# KiCad board RADAR_Main_Board.kicad_pcb (continued)
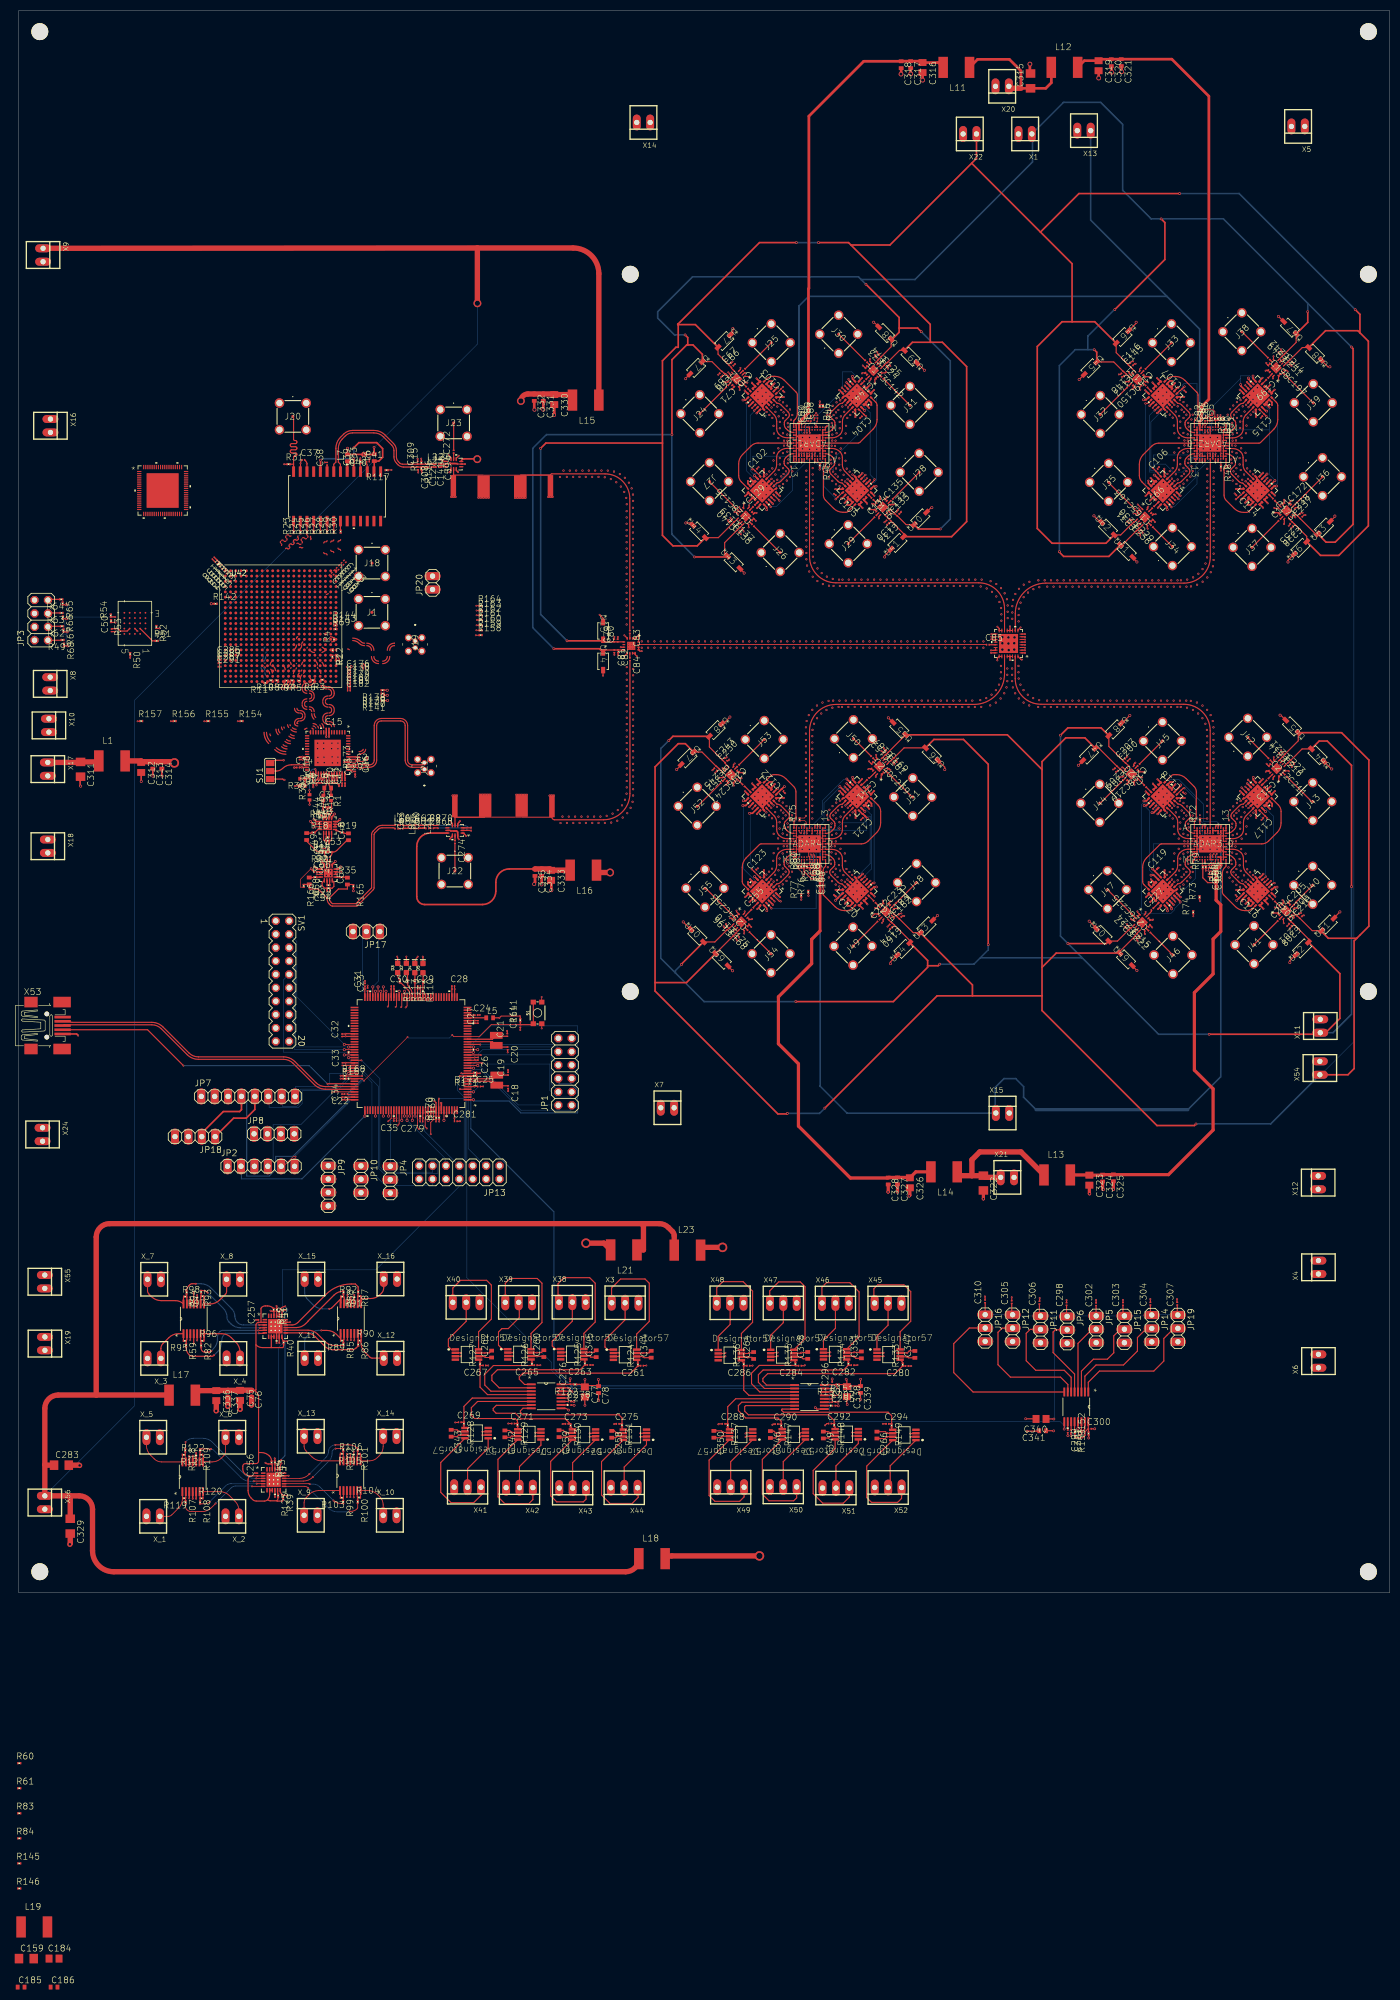
[diagram p0: board, top side]
## Routing (per net, layer and track width the routed paths; a pad name or vN(x,y) marks a point on that pad's centre or on a via; arc(x,y) is an arc through that point) (continued)
DET2_2: length 17.9
  Top w0.204: 214.29,209.39 213.05,210.62 arc(212.69,211.17) 212.56,211.81 212.56,214.01 arc(212.75,214.98) 213.3,215.81 214.93,217.44 arc(215.53,217.83) 216.23,217.98 223,217.98 ADAR2_0.G13 ; 214.29,209.39 214.3,209.4 ADTR1107_5.12 ; 214.29,209.39 214.33,209.34
DET2_3: length 17.9
  Top w0.204: 237.65,150.65 ADTR1107_12.12 238.95,149.35 arc(239.31,148.8) 239.44,148.16 239.44,145.96 arc(239.25,144.99) 238.7,144.17 237.07,142.54 arc(236.47,142.14) 235.77,142 ADAR3_0.G13
DET2_4: length 18
  Top w0.204: ADTR1107_16.12 161.7,150.6 161.72,150.62 ; 161.72,150.63 161.72,150.62 ; 161.72,150.62 163,149.35 arc(163.36,148.8) 163.49,148.16 163.49,145.96 arc(163.3,144.99) 162.75,144.17 161.12,142.54 arc(160.52,142.14) 159.82,142 ADAR4_0.G13
DET3_1: length 15.1
  Top w0.204: ADAR1_0.A1 153,213.77 arc(152.98,213.7) 152.94,213.63 arc(152.71,213.29) 152.63,212.88 152.63,208.14 arc(152.74,207.6) 153.05,207.13 154.57,205.61 arc(155.39,205.06) 156.36,204.87 156.89,204.87 arc(157.15,204.92) 157.36,205.07 ADTR1107_2.12
DET3_2: length 15.2
  Top w0.204: 234.61,206.29 234.6,206.3 ADTR1107_6.12 ; 234.61,206.29 234.63,206.31 ; 234.61,206.29 233.36,205.04 arc(233.15,204.9) 232.89,204.84 232.36,204.84 arc(231.39,205.04) 230.57,205.59 229.05,207.11 arc(228.74,207.57) 228.63,208.12 228.63,212.86 arc(228.71,213.26) 228.94,213.61 arc(228.98,213.67) 229,213.75 ADAR2_0.A1
DET3_3: length 15.1
  Top w0.204: ADAR3_0.A1 223,146.23 arc(223.02,146.3) 223.06,146.37 arc(223.29,146.71) 223.37,147.12 223.37,151.86 arc(223.26,152.4) 222.95,152.87 221.43,154.39 arc(220.61,154.94) 219.64,155.13 219.11,155.13 arc(218.85,155.08) 218.64,154.93 217.38,153.67 ; 217.38,153.67 217.4,153.65 ADTR1107_11.12 217.38,153.67
DET3_4: length 15.2
  Top w0.204: 141.43,153.67 142.69,154.93 arc(142.9,155.08) 143.16,155.13 143.69,155.13 arc(144.66,154.94) 145.48,154.39 147,152.87 arc(147.31,152.4) 147.42,151.86 147.42,147.12 arc(147.34,146.71) 147.11,146.37 arc(147.07,146.3) 147.05,146.23 147.05,145 ADAR4_0.A1 ; 141.43,153.67 141.4,153.7 ADTR1107_15.12 ; 141.43,153.67 141.42,153.67
DET4_1: length 16.8
  Top w0.204: ADTR1107_4.12 162.56,225.73 arc(162.75,225.46) 162.81,225.14 162.81,222.44 arc(162.62,221.47) 162.07,220.65 159.54,218.12 arc(159.41,218.03) 159.25,218 ADAR1_0.G1
DET4_2: length 16.9
  Top w0.204: 237.69,226.59 238.56,225.71 arc(238.75,225.44) 238.81,225.12 238.81,222.42 arc(238.62,221.45) 238.07,220.62 235.54,218.09 arc(235.41,218.01) 235.25,217.98 229,217.98 ADAR2_0.G1 ; 237.69,226.59 237.7,226.6 ADTR1107_8.12 ; 237.69,226.59 237.67,226.61
DET4_3: length 16.8
  Top w0.204: ADAR3_0.G1 216.75,142 arc(216.59,141.97) 216.46,141.88 213.93,139.35 arc(213.38,138.53) 213.19,137.56 213.19,134.86 arc(213.25,134.54) 213.44,134.27 ADTR1107_9.12 214.35,133.35
DET4_4: length 16.8
  Top w0.204: 138.35,133.4 138.35,133.4 ADTR1107_13.12 ; 138.35,133.4 138.38,133.37 ; 138.35,133.4 137.49,134.27 arc(137.3,134.54) 137.24,134.86 137.24,137.56 arc(137.43,138.53) 137.98,139.35 140.51,141.88 arc(140.64,141.97) 140.8,142 ADAR4_0.G1 147.05,142
EN/DIS_COOLING: length 12.7
  Top w0.152: U2.123 v2(72.66,89.58)
  Bottom w0.1: JP4.1 70.5,81 70.5,89.5 72.5,89.5 v2(72.66,89.58)
EN/DIS_RFPA_VDD: length 13.6
  Top w0.15: v1(71.85,88.6) 72.16,88.91 U2.122
  In7.Cu w0.1: JP10.1 65,81 71.75,87.75 71.75,88.5 v1(71.85,88.6)
EN_+1V0_FPGA: length 35.3
  Top w0.15: U2.58 72.66,111.16 v1(72.55,111.05)
  In5.Cu w0.1: SV1.1 49,127.25 50,126.25 51.25,126.25 60.5,117 69.75,117 69.75,114.75 71,113.5 72.5,113.5 72.5,111 v1(72.55,111.05)
EN_+1V8_CLOCK: length 28.7
  Top w0.152: U2.89 v2(61.76,102.98)
  Bottom w0.1: SV1.8 51.5,119.75 52.25,119 52.25,103 61.75,103 v2(61.76,102.98)
EN_+1V8_FPGA: length 29.3
  Top w0.152: U2.59 v2(72.16,114.06)
  In7.Cu w0.1: SV1.3 49,124.75 50,123.75 63,123.75 72,114.75 72,114.25 v2(72.16,114.06)
EN_+3V3_ADAR12: length 24.8
  Top w0.152: U2.64 v2(69.66,114.06)
  In7.Cu w0.1: v2(69.66,114.06) 69.75,114.25 69.75,115 66.5,118.25 50,118.25 49,117.25 SV1.9
EN_+3V3_ADAR34: length 23.1
  Top w0.152: U2.65 v2(69.16,114.88)
  In5.Cu w0.1: SV1.11 49,114.75 50,115.75 51.75,115.75 52,115.5 68.5,115.5 69,115 v2(69.16,114.88)
EN_+3V3_ADTR: length 21.8
  Top w0.152: U2.66 v2(68.66,114.06)
  In5.Cu w0.1: v2(68.66,114.06) 68.5,114 67.75,113.25 50,113.25 49,112.25 SV1.13
EN_+3V3_CLOCK: length 28.7
  Top w0.152: U2.90 v2(62.58,102.48)
  Bottom w0.1: SV1.10 51.25,117.25 50.25,116.25 50.25,102.5 62.5,102.5 v2(62.58,102.48)
EN_+3V3_FPGA: length 31.6
  Top w0.15: v1(71.5,111.1) 71.66,111.26 U2.60
  In7.Cu w0.1: v1(71.5,111.1) 71.5,114.25 71.75,114.5 65,121.25 50,121.25 49,122.25 SV1.5
EN_+3V3_SW: length 24
  Top w0.152: U2.67 v2(68.16,114.88)
  In7.Cu w0.1: SV1.15 49,109.75 50,110.75 51.25,110.75 56,115.5 67.5,115.5 68,115 v2(68.16,114.88)
EN_+3V3_VDD_SW: length 22.9
  Top w0.152: U2.68 v2(67.66,114.06)
  In7.Cu w0.1: SV1.17 49,107.25 50,108.25 51.25,108.25 52.5,109.5 63,109.5 67.5,114 v2(67.66,114.06)
EN_+5V0_ADAR: length 29.3
  Top w0.15: U2.63 70.16,111.31 v1(70,111.15)
  In7.Cu w0.1: v1(70,111.15) 70,113.75 70.25,114 70.25,115 66.5,118.75 50,118.75 49,119.75 SV1.7
EN_+5V0_PA1: length 32.3
  Top w0.15: U2.56 73.66,111.26 v1(73.4,111)
  In7.Cu w0.1: v1(73.4,111) 73.25,111 63.25,101 52.5,101 49,104.5 SV1.19
EN_+5V0_PA2: length 28.5
  Top w0.152: U2.57 v2(73.16,114.06)
  In5.Cu w0.1: SV1.2 51.5,127.25 60,127.25 73,114.25 v2(73.16,114.06)
EN_+5V0_PA3: length 27.2
  Top w0.152: U2.87 v2(61.76,103.98)
  Bottom w0.1: v2(61.76,103.98) 61.75,104 52.75,113 52.75,123.5 51.5,124.75 SV1.4
EN_+5V5_PA: length 30.6
  Top w0.152: U2.88 v2(62.58,103.48)
  Bottom w0.1: SV1.6 51.5,122.25 52.5,121.25 52.5,103.5 62.5,103.5 v2(62.58,103.48)
EN_OPAMP_IF_1: length 0.8
  Top w0.15: v1(56.52,136.23) 56.53,136.22 U8.15
EN_OPAMP_IF_2: length 1.3
  Top w0.15: v1(55.93,145.05) 56.11,145.24 U4.15
FPGA_ADC_CLOCK_N: length 11.3
  Top w0.204: 59.97,180.55 arc(59.89,180.5) R4.1 arc(59.59,180.34) 59.34,180.29 ; 53.85,180.27 arc(53.87,180.28) 53.9,180.29 ; 53.39,178.99 arc(53.6,179.31) 53.68,179.69 ; 63.35,180.55 arc(64,180.42) 64.54,180.06 ; 53.68,179.91 arc(53.71,180.09) 53.81,180.23 ; 66.91,177.52 arc(67.3,176.57) 68.25,176.18 ; 70.37,178.7 arc(70.63,179.33) 71.26,179.59 arc(71.26,179.59) 71.26,179.59 ; 66.02,179.59 arc(66.65,179.33) 66.91,178.7 ; 69.03,176.18 arc(69.98,176.57) 70.37,177.52 ; 64.6,180 arc(65.06,179.69) 65.6,179.59
FPGA_ADC_CLOCK_P: length 11.5
  Top w0.204: 64.93,180.33 arc(65.24,180.12) 65.6,180.05 ; 63.35,181.01 arc(64.17,180.85) 64.87,180.38 ; 69.03,176.64 arc(69.65,176.9) 69.91,177.52 ; 52.39,178.99 arc(52.6,179.31) 52.68,179.69 ; 71.26,180.05 arc(71.26,180.05) 71.26,180.05 arc(70.3,179.66) 69.91,178.7 ; 59.86,181.01 arc(59.83,181) R4.2 arc(59.49,181.21) 59.12,181.28 ; 52.93,181.28 arc(52.87,181.27) 52.81,181.23 arc(52.71,181.09) 52.68,180.92 ; 66.02,180.05 arc(66.98,179.66) 67.37,178.7 ; 67.37,177.52 arc(67.63,176.9) 68.25,176.64
FPGA_DAC_CLOCK: length 0.4
  Top w0.204: 58.35,189.3 arc(58.54,189.34) 58.71,189.45
FPGA_FLASH_NRST: length 0.8
  Top w0.204: 58.3,178.98 arc(57.94,179.05) 57.64,179.25 arc(57.61,179.27) 57.57,179.28
GYR_INT: length 15.3
  Top w0.152: U2.98 v2(62.58,98.48)
  Bottom w0.1: JP7.8 52.5,94.25 52.5,96 58.5,96 59,96.5 59,98.5 62.5,98.5 v2(62.58,98.48)
LNA_BIAS_1: length 83
  Top w0.1: 156.79,227.85 156.8,227.85 ADTR1107_4.23
  Top w0.2: 156.79,227.85 v6(156.15,228.5) ; ADAR1_0.A11 v1(148,214.48) ; ADTR1107_3.23 139.53,224.15 v6(139.5,224.15) ; ADTR1107_2.23 160.57,211.95 v6(160.6,211.95) ; ADTR1107_1.23 144.28,207.1 v6(144.28,207.1)
  In5.Cu w0.1: v6(139.5,224.15) 139.5,224.25 140,224.75 141.75,224.75 146,229 155.75,229 156.25,228.5 v6(156.15,228.5)
  Bottom w0.1: v1(148,214.48) 148,214.5 143.75,210.25 143.75,209.5 ; 143.75,209.5 143.75,207.75 144.25,207.25 v6(144.28,207.1) ; 143.75,209.5 141.5,211.75 141.5,212.25 139.25,212.25 138.75,212.75 138.75,223.25 139.5,224 v6(139.5,224.15) ; v6(156.15,228.5) 156.25,228.5 156.25,231.5 158,231.5 162.75,226.75 162.75,211 162.25,210.5 161,210.5 160.5,211 160.5,212 v6(160.6,211.95)
LNA_BIAS_2: length 107.9
  Top w0.1: 215.5,224.2 v6(215.47,224.2) ; 216.15,224.84 216.2,224.8 ADTR1107_7.23
  Top w0.2: ADTR1107_5.23 219.97,207.4 v6(219.97,207.4) ; ADAR2_0.A11 224,214.6 v1(223.97,214.57) ; 216.15,224.84 215.5,224.2
  Top w0.3: ADTR1107_8.23 231.8,228.82 231.8,229.08 v3(231.78,229.08) ; v3(236.78,212.12) 236.75,212.12 ADTR1107_6.23
  Bottom w0.1: 231.75,230.25 231.75,230.75 233.5,230.75 238.75,225.5 238.75,210.25 237.5,210.25 236.5,211.25 236.5,211.75 236.75,212 v3(236.78,212.12) ; 231.75,230.25 224.5,223 224.5,220 225.25,219.25 225.25,216.75 225,216.5 225,215.5 224,215.5 223.5,216 223.5,229.25 221,229.25 220.75,229 220.75,228.5 216.5,224.25 215.5,224.25 ; 231.75,230.25 231.75,229.25 v3(231.78,229.08) ; 215.5,224.25 v6(215.47,224.2) ; 215.5,224.25 214.5,223.25 214.5,212.5 217.5,212.5 217.5,211.75 220.5,208.75 ; 220.5,208.75 223.25,211.5 223.25,213.75 224,214.5 v1(223.97,214.57) ; 220.5,208.75 220,208.25 220,207.5 v6(219.97,207.4)
LNA_BIAS_3: length 90.5
  Top w0.1: v6(236.55,135.8) 236.52,135.8 ; 235.89,135.16 235.85,135.2 ADTR1107_10.23
  Top w0.2: ADAR3_0.A11 228,145.35 v1(228.1,145.45) ; v6(231.95,152.68) 231.95,152.67 ADTR1107_12.23 ; 236.52,135.8 235.88,135.16
  Top w0.3: ADTR1107_11.23 215.3,147.93 v3(214.95,147.93) ; v3(220.3,130.98) 220.3,131.08 ADTR1107_9.23
  In7.Cu w0.1: v6(231.95,152.68) 232,152.5 231.5,152.5 228.25,149.25 228.25,145.5 v1(228.1,145.45)
  Bottom w0.1: v1(228.1,145.45) 228,145.5 227.25,146.25 224.75,146.25 224.75,149.5 220,154.25 218.25,154.25 218.25,151.25 216.75,149.75 ; 216.75,149.75 213.25,149.75 213,149.5 213,128.75 218.5,128.75 219.25,129.5 219.25,129.75 220.25,130.75 v3(220.3,130.98) ; 216.75,149.75 215.5,148.5 215.5,148.25 215,147.75 v3(214.95,147.93) ; v6(236.55,135.8) 236.5,135.75 236.5,146.25 233,149.75 233,151.5 232,152.5 v6(231.95,152.68)
LNA_BIAS_4: length 74.1
  Top w0.1: 159.88,135.18 159.85,135.2 ADTR1107_14.23 ; 160.52,135.82 160.55,135.8 v6(160.55,135.82)
  Top w0.15: ADAR4_0.A11 152,145.43 v1(152.03,145.45)
  Top w0.2: 159.88,135.18 160.52,135.82 ; ADTR1107_13.23 144.28,131.1 v6(144.53,131.1)
  Top w0.3: v3(155.75,152.85) 155.77,152.85 ADTR1107_16.23 ; v3(138.62,147.8) 139.18,147.8 ADTR1107_15.23
  In7.Cu w0.1: v1(152.03,145.45) 152,145.5 152.75,144.75 152.75,138.5 145.5,131.25 144.5,131.25 v6(144.53,131.1)
  Bottom w0.1: v6(160.55,135.82) 160.5,136 161.75,137.25 161.75,147.5 156.75,152.5 155.5,152.5 ; 155.5,152.5 152.75,149.75 152.75,146.25 152,145.5 v1(152.03,145.45) ; 155.5,152.5 155.75,152.75 v3(155.75,152.85) ; v3(138.62,147.8) 138.75,147.75 138.75,138.25 143,134 143,132.75 144.5,131.25 v6(144.53,131.1)
MAG_DRDY: length 25.3
  Top w0.152: U2.96 v1(62.68,99.48)
  Bottom w0.1: v1(62.68,99.48) 62.75,99.5 63.5,99.5 63.5,98.25 60.5,95.25 53.75,95.25 53.75,92.75 53,92 47.5,92 47.5,94 JP7.6
MIX_RX_N: length 9.1
  Top w0.204: v1(85.81,145.11) 85.81,145.03 85.04,145.03 85.02,145.05 U13.3 ; v1(79.51,145.57) 79.44,145.49 78.82,145.49 arc(78.72,145.51) C270.2
  Bottom w0.204: v1(85.81,145.11) 85.34,145.11 arc(85.31,145.11) 85.28,145.13 arc(84.88,145.4) 84.4,145.49 79.51,145.49 v1(79.51,145.57)
MIX_RX_P: length 9.1
  Top w0.204: U13.2 85.02,144.55 85.04,144.57 85.81,144.57 v1(85.81,144.5) ; v1(79.51,144.96) 79.44,145.03 78.84,145.03 arc(78.74,145.01) C268.2
  Bottom w0.204: v1(79.51,144.96) 79.51,145.03 84.4,145.03 arc(84.7,144.97) 84.95,144.8 arc(85.29,144.57) 85.69,144.5 v1(85.81,144.5)
N$1: length 0.8
  Top w0.204: U69.11 49.1,18.93 arc(49.13,18.8) R123.1
N$2_N: length 28
  Top w0.204: J21.2 76.53,156.99 74.65,156.99 arc(74.03,157.25) 73.77,157.87 73.77,164.43 arc(73.37,165.38) 72.42,165.78 68.78,165.78 arc(67.83,165.38) 67.43,164.43 67.43,157.87 arc(67.17,157.25) 66.55,156.99 65.45,156.99 65.35,157.08 C2.2
N$2_P: length 28
  Top w0.204: C1.2 65.35,156.43 65.45,156.52 66.55,156.52 arc(67.5,156.92) 67.9,157.87 67.9,164.43 arc(68.15,165.05) 68.78,165.31 72.42,165.31 arc(73.05,165.05) 73.3,164.43 73.3,157.87 arc(73.7,156.92) 74.65,156.52 76.54,156.52 J21.1
N$4: length 4.3
  Top w0.204: R1.1 59.23,152.52 arc(59.24,152.56) C3.1 59.09,152.76 arc(58.91,153.03) 58.85,153.33 U1.36
N$5: length 2.4
  Top w0.2: C43.2 R15.2 57.98,142.62 57.84,142.76 U4.1
N$6: length 7.3
  Top w0.204: U1.26 51.74,157 arc(50.83,156.82) 50.05,156.3 arc(49.51,155.94) 48.87,155.81 SJ1.2
N$7: length 1.2
  Top w0.2: C23.1 66.17,112.96 U2.71
N$8: length 1.4
  Top w0.2: C22.1 62.42,94.48 U2.106
N$9: length 5.5
  Top w0.2: L5.1 85.13,109.02 U2.32 U2.33 85.13,109.52 C24.1
N$10: length 1.8
  Top w0.204: R23.2 52.14,203.2 U3.1
N$11: length 1.9
  Top w0.204: R24.2 53.4,201.39 U3.2
N$12: length 1.8
  Top w0.204: R25.2 54.68,201.39 U3.3
N$13: length 1.8
  Top w0.204: R26.2 55.95,201.4 U3.4
N$14: length 1.8
  Top w0.204: R27.2 57.21,201.44 U3.5
N$15: length 2.5
  Top w0.2: C43.1 58.86,142.09 R15.1 59.25,142.62 59.35,142.73 59.35,144.07 U4.4
N$16: length 1.8
  Top w0.204: R28.2 58.48,201.44 U3.6
N$17: length 6.3
  Top w0.204: R38.2 55.16,152.13 arc(55.16,152.14) v6(55.15,152.15) ; U1.31 56.35,155.91 arc(56.32,156.04) v6(56.25,156.15)
  Bottom w0.204: v6(55.15,152.15) 55.15,154.96 arc(55.27,155.55) 55.6,156.05 arc(55.71,156.12) 55.84,156.15 v6(56.25,156.15)
N$18: length 1.8
  Top w0.204: R29.2 59.76,201.45 U3.7
N$19: length 1.8
  Top w0.204: U3.8 61.02,201.5 R30.2
N$20: length 1.1
  Top w0.204: U5.11 82.49,216.09 C272.1
N$21: length 1
  Top w0.204: U$1.3 115.92,181.91 C83.2
N$22: length 1.6
  Top w0.152: R33.1 U3.18
N$23: length 5.2
  Top w0.204: J23.1 C272.2
N$24: length 5.3
  Top w0.204: C274.2 82.74,136.86 J22.1
N$25: length 3.8
  Top w0.204: U9.B2 25.37,180.49 R51.1
N$26: length 66
  Top w0.152: C85.1 183.58,179.79 U$1.15
N$32: length 2.5
  Top w0.204: JP3.1 8.02,180.61 R49.2
N$33: length 2.5
  Top w0.204: R62.2 5.65,183.26 JP3.3
N$34: length 2.4
  Top w0.204: R63.2 5.63,185.79 JP3.5
N$35: length 0.8
  Top w0.2: R14.1 58.86,144.06 U4.3
N$36: length 2.3
  Top w0.204: JP3.7 5.67,188.36 R64.2
N$37: length 1.2
  Top w0.204: C38.1 58.49,212.6 arc(58.49,212.59) U3.23
N$38: length 0.9
  Top w0.204: U$1.10 115.92,177.28 C84.1
N$39: length 3
  Top w0.1: R45.1 152.05,214 v1(152.44,214.39) ; ADAR1_0.B3 v1(152,216.03) 152,216.03
  Bottom w0.1: v1(152,216.03) 152,214.85 152.45,214.4 v1(152.44,214.39)
N$40: length 2.8
  Top w0.15: v1(228,214.32) 228.03,214.29 R48.1 ; ADAR2_0.B3 v1(228,216.05)
  Bottom w0.15: v1(228,216.05) v1(228,214.32)
N$41: length 3.2
  Top w0.204: U1.29 55.35,154.62 arc(55.34,154.56) 55.3,154.5 arc(55.13,154.39) 54.94,154.35 R36.1 54.33,153.04 arc(54.32,153.01) R37.2
N$42: length 3.7
  Top w0.15: C87.1 225.91,222.16 v1(225.92,222.15) ; ADAR2_0.M9 v1(225,219.98)
  Bottom w0.15: v1(225,219.98) 225.92,220.9 v1(225.92,222.15)
N$43: length 4.3
  Top w0.204: U1.35 58.35,153.47 arc(58.26,153.02) 58,152.63 C3.2 57.96,151.61 arc(57.92,151.39) R13.1
N$45: length 3.7
  Top w0.15: v1(226.38,222.28) 226.36,222.28 C86.1 ; ADAR2_0.M8 225.5,220.05 v1(225.57,219.98)
  Bottom w0.15: v1(226.38,222.28) 226.35,222.28 226.35,221.9 226.2,221.75 226.2,220.6 v1(225.57,219.98)
N$46: length 1.5
  Top w0.15: C92.1 225.01,221.74 224.5,221.23 ADAR2_0.N10
N$48: length 0.8
  Top w0.2: R14.2 58.35,144.07 U4.2
N$49: length 1.3
  Top w0.204: U4.5 60.21,144.5 arc(60.67,144.41) R19.1
N$50: length 1.2
  Top w0.204: U4.16 56.76,144.74 R18.2
N$51: length 0.7
  Top w0.15: C47.2 56.48,145.74 U4.14
N$52: length 2.7
  Top w0.204: U2.50 76.66,115.53 arc(76.67,115.58) R110.2
N$53: length 1.4
  Top w0.15: C93.1 225.47,221.72 225,221.25 ADAR2_0.N9
N$56: length 1.2
  Top w0.204: U4.11 58.34,147.02 arc(58.28,147.3) 58.12,147.54 C44.1
N$57: length 3
  Top w0.15: v1(224.1,143.98) 224.07,143.98 224,144.05 ADAR3_0.B3 ; v1(224.04,145.86) 224.04,146.3 R72.1
  Bottom w0.15: v1(224.04,145.86) 224.05,145.88 224.1,145.82 v1(224.1,143.98)
N$58: length 0.3
  Top w0.204: C61.1 74.99,144.93 arc(74.98,144.93) L3.2
N$59: length 3.3
  Top w0.15: v1(226.62,138.4) 226.19,137.96 C95.1 ; v1(227.25,140.1) 227,139.85 ADAR3_0.M9
  Bottom w0.15: v1(226.62,138.4) 227.25,139.03 v1(227.25,140.1)
N$60: length 3.3
  Top w0.15: v1(226.66,140.09) 226.39,139.81 226.5,139.7 ADAR3_0.M8 ; v1(226.15,138.43) 225.69,137.96 C94.1
  Bottom w0.15: v1(226.66,140.09) 226.28,139.7 226.28,138.55 v1(226.15,138.43)
N$61: length 3.2
  Top w0.15: C96.1 226.57,136.62 226.57,137.32 227.5,138.25 ADAR3_0.N10
N$62: length 0.4
  Top w0.204: C62.1 L4.2
N$63: length 3.3
  Top w0.15: ADAR3_0.N9 227,138.23 226.67,137.9 v1(226.65,137.9) ; v1(226.15,136.82) 225.71,136.38 C97.1
  Bottom w0.15: v1(226.65,137.9) 226.65,137.32 v1(226.15,136.82)
N$64: length 4.6
  Top w0.1: v1(149.35,145.8) 149.35,146.15 149.1,146.4 148.15,146.4 R75.1 ; ADAR4_0.B3 148.1,144.5 148.1,144.15 148.2,144.05 v1(148.4,144.05)
  Bottom w0.1: v1(148.4,144.05) 148.4,144.35 149.35,145.3 v1(149.35,145.8)
N$65: length 1.1
  Top w0.204: C45.1 59.2,147.72 arc(58.96,147.35) 58.87,146.92 U4.10
N$66: length 2
  Top w0.1: ADAR1_0.N9 149,221.25 149.5,221.75 149.97,221.75 150.26,222.04 C91.1
N$67: length 1
  Top w0.204: C46.2 58.57,148.92 arc(58.57,148.93) 58.58,148.94 ; R16.1 58.58,148.94 ; 58.58,148.94 58.77,148.94 arc(58.79,148.93) R17.2
N$68: length 2.8
  Top w0.15: v1(150.6,138.5) 150.51,138.41 C99.1 ; v1(150.75,140) 151,139.75 ADAR4_0.M9
  Bottom w0.15: v1(150.6,138.5) 150.75,138.65 v1(150.75,140)
N$69: length 2.7
  Top w0.15: ADAR4_0.M8 150.5,139.75 v1(150.25,140) ; C98.1 149.98,138.44 v1(150.1,138.55)
  Bottom w0.15: v1(150.1,138.55) 150.25,138.7 v1(150.25,140)
N$70: length 2.6
  Top w0.15: C100.1 151.06,136.87 151.5,137.3 ADAR4_0.N10
N$71: length 0.4
  Top w0.204: C64.1 L9.2
N$72: length 1
  Top w0.204: U13.11 82.76,142.61 C274.1
N$73: length 1
  Top w0.204: C48.2 61.96,143.99 arc(61.75,144.03) R19.2
N$74: length 0.6
  Top w0.204: C70.2 137.35,231.72 RF_SW_3.3
N$75: length 2.6
  Top w0.15: C101.1 150.59,136.89 151,137.3 ADAR4_0.N9
N$76: length 4.9
  Top w0.1: 150.94,222.75 C89.1 150.9,222.67 v1(150.9,222.35) ; ADAR1_0.M9 149.03,220.48 v1(149.03,219.95)
  Bottom w0.1: v1(149.03,219.95) 149.22,220.15 149.22,221.88 149.75,222.4 150.9,222.4 v1(150.9,222.35)
N$77: length 4.8
  Top w0.1: ADAR1_0.M8 v1(149.5,219.95) ; v1(151.42,222.07) 151.49,222.14 C88.1
  Bottom w0.1: v1(149.5,219.95) 149.75,220.2 149.75,221.43 150.25,221.93 151.28,221.93 v1(151.42,222.07)
N$78: length 1.1
  Top w0.204: C49.1 55.39,144.04 arc(55.54,144.07) R18.1
N$79: length 2
  Top w0.1: C90.1 149.28,222.18 148.5,221.4 ADAR1_0.N10
N$80: length 1.9
  Top w0.15: ADAR2_0.N5 227,222.23 R78.2 226.88,222.34 R55.1
N$81: length 1.8
  Top w0.15: R56.1 225.15,137.85 R79.2 224.5,137.95 ADAR3_0.N4
N$82: length 0.4
  Top w0.204: C65.1 71.96,145.56 arc(71.95,145.56) L10.2
N$83: length 1.6
  Top w0.15: ADAR4_0.N5 149,137.98 R81.2 148.97,137.95 R58.1
N$84: length 1.8
  Top w0.15: ADAR4_0.N4 148.5,138.03 R80.2 148.39,137.92 R57.1 147.97,137.92
N$85: length 2.8
  Top w0.2: U8.1 57.55,134.65 57.55,134.07 58.02,133.6 R32.2 C54.2
N$86: length 2.7
  Top w0.2: C54.1 59.01,133.09 R32.1 59.45,133.6 59.77,133.93 59.77,134.77 U8.4
N$87: length 0.9
  Top w0.2: U8.3 58.97,134.27 arc(58.98,134.22) R22.1
N$88: length 0.9
  Top w0.2: R22.2 58.5,135 arc(58.49,135.04) U8.2
N$89: length 0.8
  Top w0.204: R35.1 60.21,135.68 arc(60.16,135.69) U8.5
N$91: length 2.7
  Top w0.204: R112.2 75.15,112.97 arc(75.15,112.96) U2.53
N$92: length 1.5
  Top w0.204: D3.A 71.88,117.2 arc(71.99,116.65) R114.1
N$93: length 3
  Top w0.204: R113.2 73.75,115.48 arc(73.8,115.22) 73.95,115 arc(74.48,114.21) 74.66,113.29 U2.54
N$94: length 3.5
  Top w0.204: U2.55 74.16,113.62 arc(74.09,113.96) 73.9,114.25 72.6,115.55 arc(72.46,115.64) R114.2
N$95: length 1.5
  Top w0.204: R113.1 73.75,117.07 arc(73.69,117.36) D2.A
N$96: length 1.4
  Top w0.3: U3.19 63.54,212.6 C39.1
N$97: length 1.4
  Top w0.204: R112.1 75.15,117.53 arc(75.14,117.56) D4.A
N$98: length 1.4
  Top w0.204: R110.1 76.7,117.52 arc(76.69,117.55) D5.A
N$99: length 0.9
  Top w0.204: L22.2 78.55,214.02 arc(78.61,214.01) C141.1 78.96,213.97 arc(79.05,213.99) L26.1
N$100: length 0.9
  Top w0.204: RF_SW_3.15 137.33,229.34 C72.1
N$101: length 0.9
  Top w0.204: L27.1 78.77,213.43 arc(78.71,213.44) C141.2 78.39,213.47 arc(78.31,213.45) L25.2
N$102: length 0.7
  Top w0.3: U8.14 57.31,136.71 C56.2
N$103: length 0.8
  Top w0.204: R34.2 57.25,135.69 arc(57.29,135.7) U8.16
N$104: length 1.2
  Top w0.204: U8.11 58.47,138.82 arc(58.45,138.92) C51.1
N$105: length 1.2
  Top w0.204: U8.10 58.97,138.82 arc(58.99,138.94) C52.1
N$110: length 1.1
  Top w0.15: C53.2 58.65,140.48 58.68,140.45
  Top w0.204: R20.1 R21.2
  Top w0.3: 58.68,140.46 58.68,140.45
N$111: length 0.9
  Top w0.204: R35.2 62.15,135.68 arc(62.25,135.66) C57.2
N$112: length 0.9
  Top w0.204: C58.1 55.81,135.62 arc(55.9,135.64) R34.1
N$113: length 1.6
  Top w0.204: L3.1 73.98,144.92 arc(73.91,144.94) C63.1 arc(73.8,144.95) 73.76,144.94 L8.2 72.99,144.94 arc(72.92,144.93) C64.2
N$125: length 1.6
  Top w0.204: L4.1 74.03,145.56 arc(73.93,145.54) C63.2 73.35,145.48 arc(73.33,145.48) L8.1 73.03,145.5 arc(72.94,145.51) C65.2
N$127: length 0.6
  Top w0.204: RF_SW_3.10 134.98,229.35 C71.1
N$128: length 7
  Top w0.204: 137.76,232.08 137.81,232.08 J25.1
N$129: length 7.1
  Top w0.204: C71.2 129.19,223.56 J24.1
N$130: length 0.5
  Top w0.204: C126.2 136.73,204.96 RF_SW_1.3
N$131: length 0.8
  Top w0.204: RF_SW_1.15 138.72,205.34 C129.1
N$132: length 0.5
  Top w0.204: C128.1 RF_SW_1.10
N$133: length 7.1
  Top w0.204: C126.1 131.04,210.65 J27.1
N$134: length 7.1
  Top w0.204: C128.2 144.44,197.24 J26.1
N$135: length 0.5
  Top w0.204: RF_SW_2.3 163.04,204.66 C134.2
N$136: length 0.8
  Top w0.204: RF_SW_2.15 162.12,207.24 C136.1
N$137: length 0.6
  Top w0.204: C135.1 165.42,207.05 RF_SW_2.10
N$138: length 7.1
  Top w0.204: J29.1 157.34,198.96 C134.1
N$139: length 7.1
  Top w0.204: C135.2 170.81,212.43 J28.1
N$140: length 0.5
  Top w0.204: RF_SW_4.3 163.64,230.59 C142.2
N$141: length 0.7
  Top w0.204: RF_SW_4.15 161.25,230.6 C144.1
N$142: length 0.5
  Top w0.204: RF_SW_4.10 C143.1
N$143: length 7.2
  Top w0.204: C142.1 169.04,225.17 J31.1
N$144: length 7.1
  Top w0.204: J30.1 160.5,233.67 C143.2
N$145: length 0.6
  Top w0.204: C149.2 213.36,231.68 RF_SW_7.3
N$146: length 0.6
  Top w0.204: C151.1 213.37,229.28 RF_SW_7.15
N$147: length 0.6
  Top w0.204: RF_SW_7.10 210.98,229.28 C150.1
N$148: length 7
  Top w0.204: C149.1 218.65,236.97 J33.1
N$149: length 7.2
  Top w0.204: C150.2 205.15,223.45 J32.1
N$150: length 0.6
  Top w0.204: RF_SW_5.3 212.05,205.14 C163.2
N$151: length 0.8
  Top w0.204: RF_SW_5.15 214.46,205.11 C166.1
N$152: length 0.5
  Top w0.204: RF_SW_5.10 214.41,202.78 C165.1
N$153: length 7.1
  Top w0.204: J35.1 206.75,210.46 C163.1
N$154: length 5.3
  Top w0.204: J34.1 218.84,198.35 C165.2
N$155: length 0.5
  Top w0.204: RF_SW_6.3 239.34,203.62 C171.2
N$156: length 1.6
  Top w0.204: C173.1 238.26,207.05 RF_SW_6.15
N$157: length 0.5
  Top w0.204: C172.1 242.05,206.33 RF_SW_6.10
N$158: length 7.1
  Top w0.204: C171.1 233.94,198.24 J37.1
N$159: length 6.9
  Top w0.204: C172.2 247.3,211.57 J36.1
N$160: length 0.6
  Top w0.204: C197.2 239.69,231.44 RF_SW_8.3
N$161: length 1
  Top w0.204: RF_SW_8.15 237.68,231.03 C199.1
N$162: length 0.6
  Top w0.204: RF_SW_8.10 237.3,233.82 C198.1
N$163: length 7.2
  Top w0.204: C197.1 245.52,225.61 J39.1
N$164: length 7
  Top w0.204: C198.2 232.01,239.11 J38.1
N$165: length 0.5
  Top w0.204: C204.2 239.17,127.75 RF_SW_10.3
N$166: length 1.4
  Top w0.204: RF_SW_10.15 239.19,130.17 C206.1
N$167: length 0.5
  Top w0.204: RF_SW_10.10 241.52,130.11 C205.1
N$168: length 6.4
  Top w0.204: J41.1 234.31,122.9 C204.1
N$169: length 4.7
  Top w0.204: C205.2 242.24,130.95 J40.1
N$170: length 0.5
  Top w0.204: RF_SW_12.3 239.78,155.49 C211.2
N$171: length 1
  Top w0.204: RF_SW_12.15 237.05,154.41 C213.1
N$172: length 0.5
  Top w0.204: C212.1 237.79,157.49 RF_SW_12.10
N$173: length 6.9
  Top w0.204: C211.1 245.25,150.02 J43.1
N$174: length 5.6
  Top w0.204: C212.2 233.13,162.15 J42.1
N$175: length 0.5
  Top w0.204: RF_SW_11.3 212.22,156.79 C218.2
N$176: length 1.9
  Top w0.204: C220.1 213.49,153.15 RF_SW_11.15
N$177: length 0.6
  Top w0.204: C219.1 209.48,154.04 RF_SW_11.10
N$178: length 6.2
  Top w0.204: J45.1 212.59,157.15 C218.1
N$179: length 5.7
  Top w0.204: C219.2 205.13,149.71 J44.1
N$180: length 0.5
  Top w0.204: RF_SW_9.3 211.57,128.27 C225.2
N$181: length 1.6
  Top w0.204: C227.1 214.84,129.18 RF_SW_9.15
N$182: length 0.5
  Top w0.204: RF_SW_9.10 214.28,125.55 C226.1
N$183: length 6.6
  Top w0.204: C225.1 206.53,133.32 J47.1
N$184: length 6.1
  Top w0.204: J46.1 218.92,120.93 C226.2
N$185: length 0.5
  Top w0.204: RF_SW_14.3 163.26,127.65 C232.2
N$186: length 1.2
  Top w0.204: RF_SW_14.15 163.29,130.07 C234.1
N$187: length 0.6
  Top w0.204: C233.1 166.01,130.39 RF_SW_14.10
N$188: length 6.6
  Top w0.204: J49.1 158.25,122.64 C232.1
N$189: length 5.5
  Top w0.204: C233.2 170.29,134.66 J48.1
N$190: length 0.6
  Top w0.204: RF_SW_16.3 164.81,155.51 C239.2
